# Altium PCB MIXR Input and Processing.PcbDoc (part 3 of 3)
Units mm, origin at the board's own origin, x right, y up, seen from the top; angles counter-clockwise.
Board outline 109.43 x 109.43 mm, 4 copper layers (Top Layer, Int1 (GND), Int2 (PWR), Bottom Layer), stack 1.46 mm thick; 229 components, 167 nets, 975 pads, 374 vias.
Unrouted connection lines stored in the file: 221.
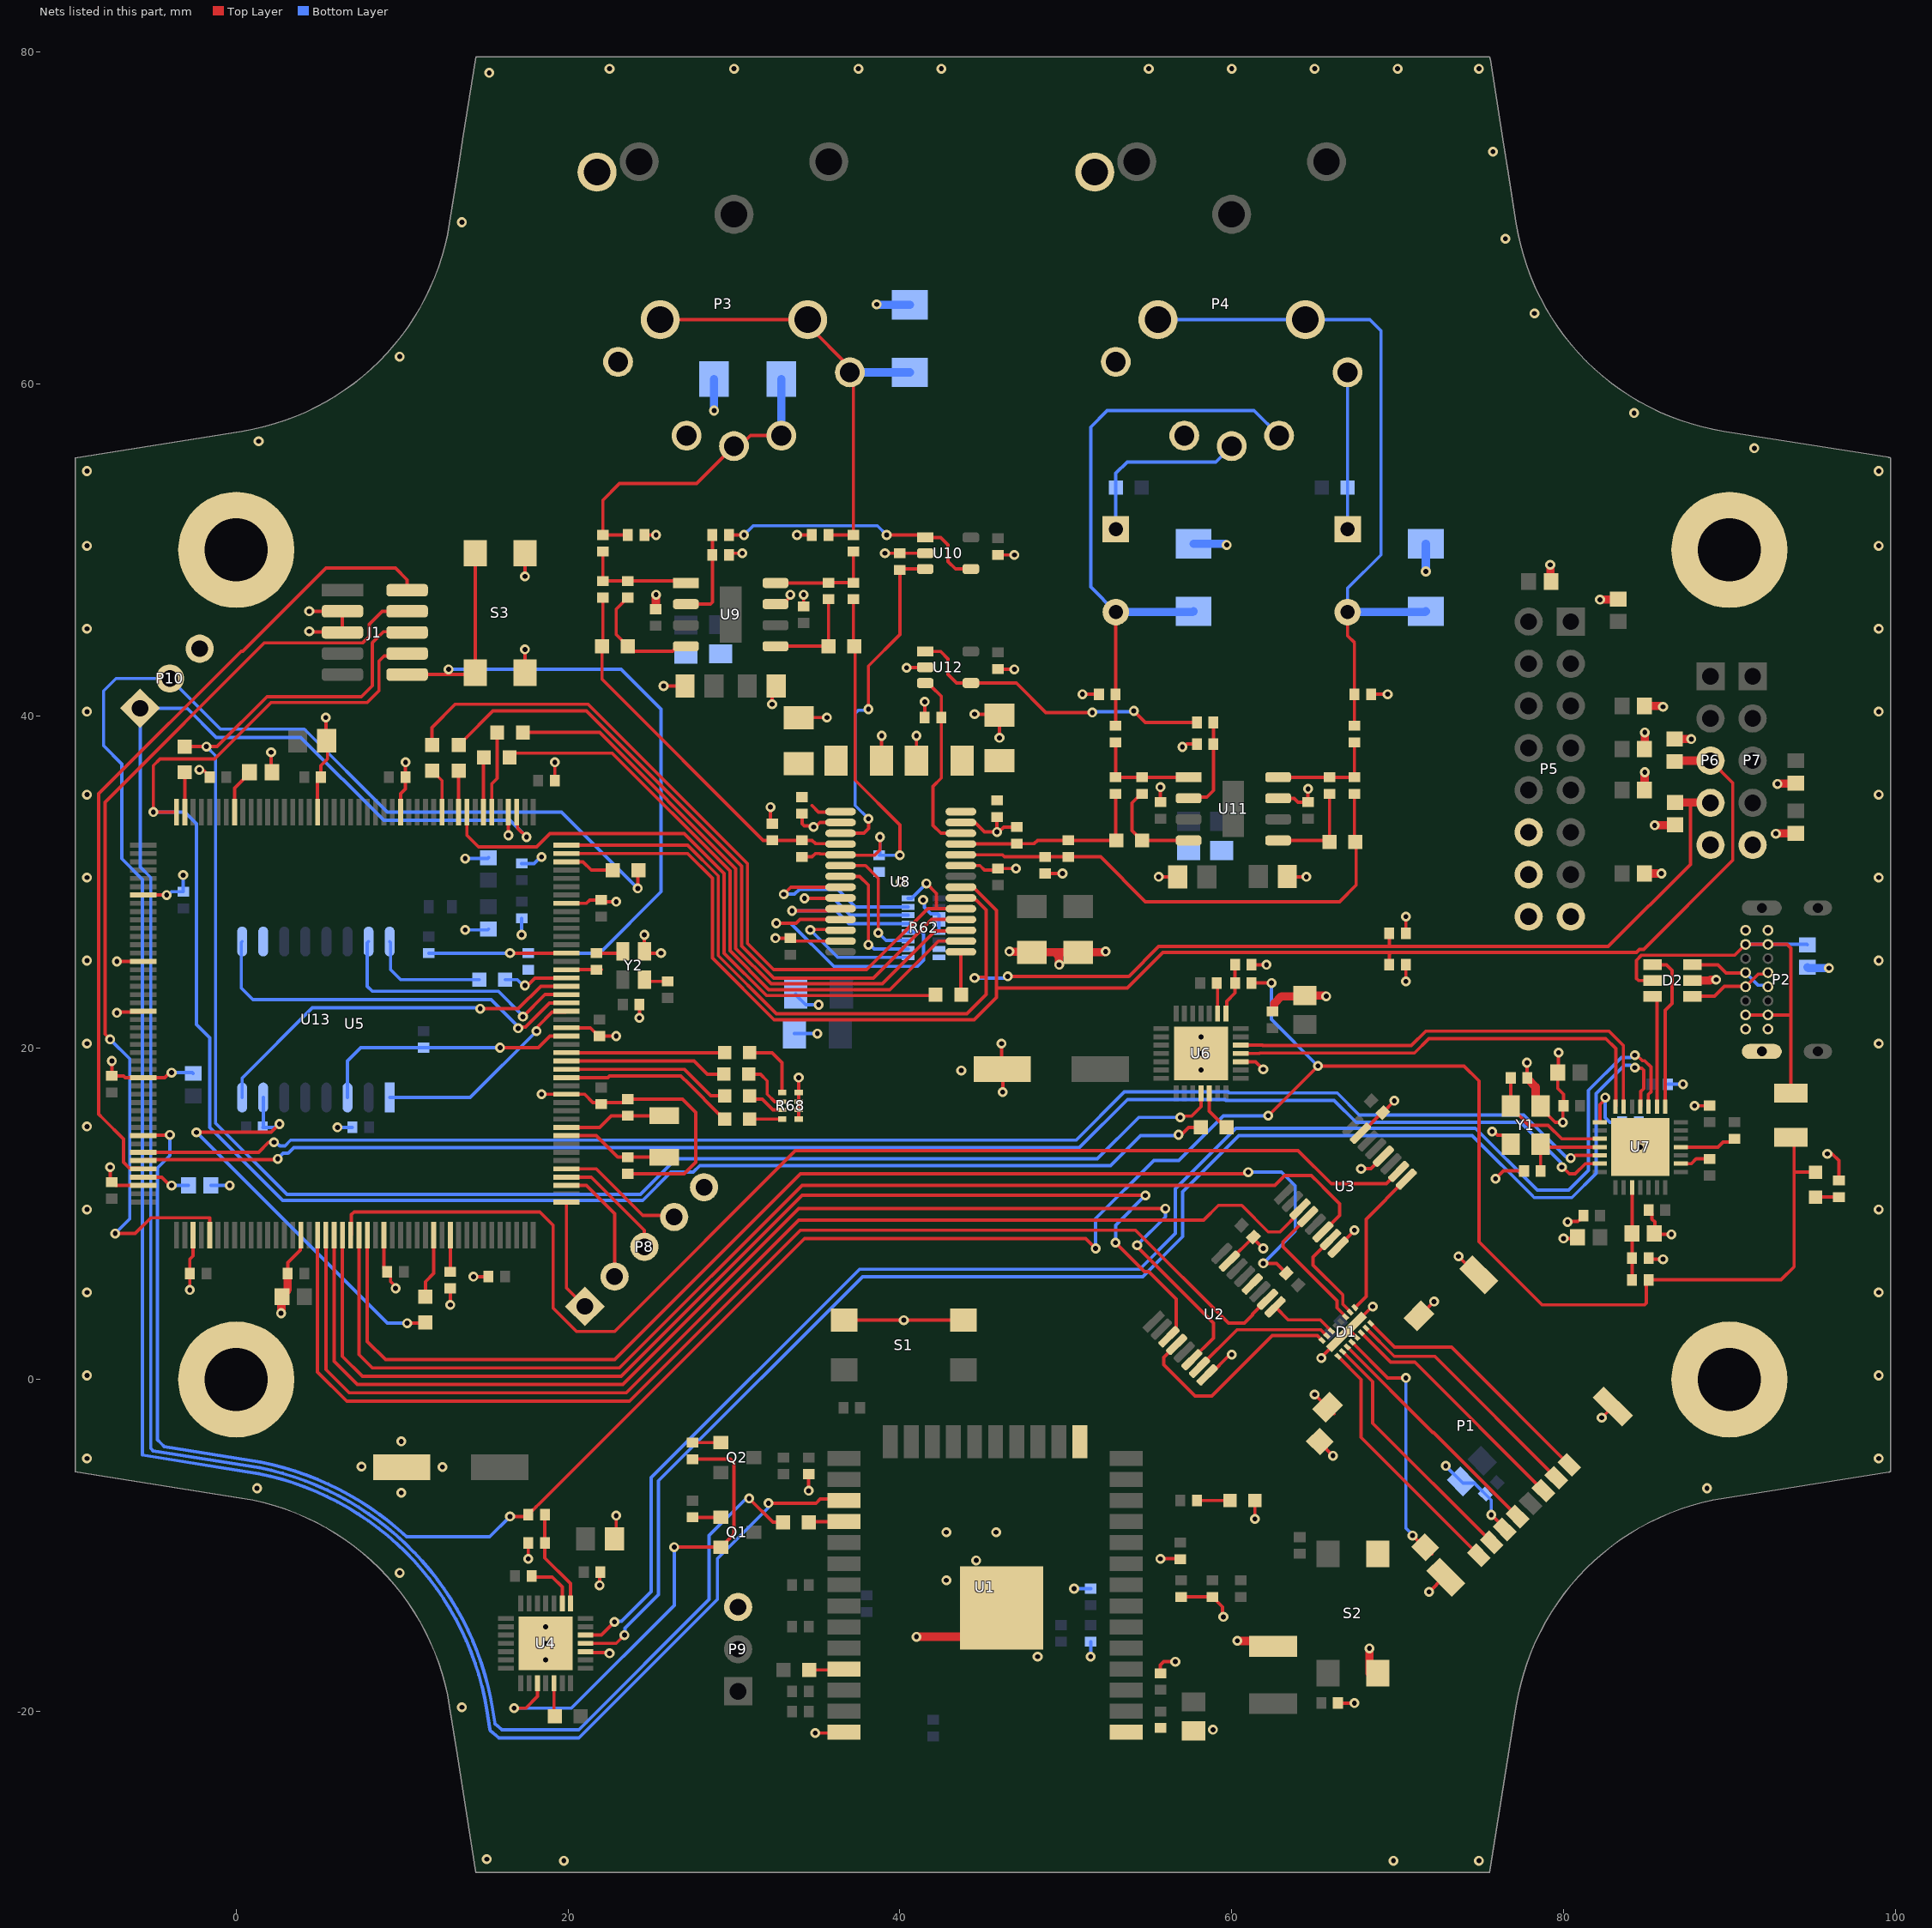
[diagram p5: the nets of this part, all layers, seen from the top]

## Via types
v1: diameter 0.6, hole 0.3, Top Layer to Bottom Layer, tented both sides, 334 vias
v2: diameter 0.6, hole 0.3, Top Layer to Bottom Layer, 40 vias

## Nets (pads, with @x,y where several pads share a name; then routed paths per layer and width w, separated by ;. In a path a pad name is that pad's centre, name@x,y a point inside that pad or via, vN(x,y) a via of type N, cw(c..) or ccw(c..) an arc to the next point about the centre after c; other vN are vias at no path point) (continued)
GND: C1.2 C2.2 C3.2 C4.2 C5.2 C6.2 C7.2 C8.2 C9.2 C10.2 C11.2 C12.2 C13.2 C14.2 C15.2 C16.2 C17.2 C18.2 C19.2 C20.2 C21.2 C22.2 C23.2 C24.2 C25.2 C26.2 C29.2 C30.2 C31.2 C35.2 C36.2 C37.1 C38.2 C39.2 C40.2 C41.2 C42.2 C43.1 C44.1 C45.1 C46.2 C47.2 C48.2 C52.2 C53.2 C54.1 C55.2 C56.2 C57.2 C58.2 C59.2 C60.1 C61.1 C62.1 C63.2 C64.2 C65.2 C66.2 C67.2 C68.2 C69.2 C70.2 C71.2 C72.2 C73.2 C74.2 C75.2 C76.2 C77.2 C78.2 C79.2 C80.2 C81.2 C82.2 C83.2 C84.2 C85.2 C86.2 C87.2 C88.2 C89.2 C90.2 C91.2 C92.2 C93.2 C94.2 C95.2 C96.2 C97.2 C98.2 C99.2 C100.2 C101.2 C102.2 C103.2 C104.2 C105.2 C106.2 C107.2 C108.2 C109.2 D1.5 D1.17 D2.2 D3.2 D4.2 D5.2 D6.2 J1.3 J1.5 LED1.2 P1.6 P1.10 P1.11 P2.A1 P2.A12 P2.B1 P2.B12 P2.P1 P3.1 P3.4 P3.8 P4.1 P4.4 P4.8 P5.8 P5.9 P6.5 P7.5 P8.5 P9.3 P10.3 pad.0 R13.2 R14.2 R17.1 R23.2 R32.2 R35.2 R36.2 R38.2 R39.2 R40.2 R43.2 R44.2 R46.2 R54.2 R62.11 R62.12 R62.13 R62.15 R62.16 R66.2 R68.5 R68.6 R68.7 R68.8 S1.2 S2.2 S3.2 U1.1 U1.15 U1.38 U1.39 U2.8 U2.12 U2.15 U3.8 U3.12 U3.15 U4.3 U4.29 U5.14 U5.22 U5.37 U5.48 U5.61 U5.71 U5.95 U5.103 U5.109 U5.117 U5.130 U5.135 U5.148 U5.158 U6.3 U6.29 U7.29 U8.2 U8.13 U8.23 U8.27 U9.7 U10.2 U11.7 U12.2 U13.10 Y1.2 Y1.4 Y2.2 | length 269.2
  Top Layer w0.2: v1(-7.6,12.8) -7.6,12.033 -7.272,11.704 -7.25,11.704 -7.246,11.7 U5.130@-5.6,11.7 ; v1(-7.5,19.2) C107.2@-7.5,18.3 -6.8,18.3 -6.7,18.2 U5.117@-5.6,18.2 -4.308,18.2 -4.008,18.5 v1(-3.9,18.5) ; v1(-7.2,22.1) -7.15,22.15 -5.65,22.15 U5.109@-5.6,22.2 ; v1(-7.2,25.2) U5.103@-5.6,25.2 ; U5.95@-5.6,29.2 v1(-4.2,29.2) ; v1(-2.8,5.4) C103.2@-2.8,6.4 -2.8,7.25 -2.6,7.45 U5.135@-2.6,8.7 ; v1(-2.223,36.75) -2.146,36.673 -1.923,36.673 -1.6,36.35 C102.2@-1.6,36.3 ; v1(2.1,37.8) 2.1,36.65 C83.2@2.15,36.6 ; C73.2@3.1,6.4 3.1,7.05 3.85,7.8 3.85,8.65 U5.148@3.9,8.7 ; v1(4.4,45.1) 4.435,45.065 6.365,45.065 J1.5@6.4,45.03 J1.3@6.4,46.3 v1(4.4,46.3) ; U5.71@4.9,34.2 4.9,35.566 4.883,35.583 4.9,35.6 4.9,36.1 C75.2@5.1,36.3 5.1,37 5.5,37.4 5.5,38.45 C71.2@5.45,38.5 5.4,38.55 v1(5.4,39.9) ; U5.158@8.9,8.7 8.9,6.7 C100.2@9.1,6.5 9.3,6.3 9.3,5.908 9.6,5.608 v1(9.6,5.5) ; U5.61@9.9,34.2 9.9,35.3 10.2,35.6 C76.2@10.2,36.3 v1(10.2,37.2) ; v1(12.9,4.5) R66.2@12.9,5.5 ; v1(14.3,6.2) C99.2@15.2,6.2 ; v1(16.4,32.8) U5.48@16.4,34.2 ; S3.2@17.4,42.6 v1(17.4,44) ; v1(17.4,48.4) S3.2@17.4,49.8 ; v1(17.6,-10.8) R23.2@17.6,-9.85 ; v1(18.4,17.2) U5.14@19.9,17.2 21,17.2 21.5,16.7 23.4,16.7 C86.2@23.6,16.9 26.9,16.9 27.7,16.1 27.7,13.1 27,12.4 C87.2@23.6,12.4 ; C77.2@19.2,36.1 v1(19.2,37.2) ; U5.22@19.9,21.2 21.35,21.2 21.85,20.7 C72.2@21.9,20.7 v1(22.9,20.7) ; U5.37@19.9,28.7 21.1,28.7 21.3,28.9 C101.2@22,28.9 22.1,28.8 v1(22.9,28.8) ; U4.3@21.05,-16.4 21.1,-16.45 22.45,-16.45 v1(22.5,-16.5) ; v1(21.9,-12.4) 21.9,-11.65 C13.2@21.95,-11.6 ; C12.2@22.8,-9.6 22.9,-9.5 v1(22.9,-8.2) ; v1(24.3,21.8) C108.2@24.3,22.7 ; v1(24.6,26.8) 24.6,25.7 v1(25.6,25.7) ; R40.2@24.6,50.9 v1(25.3,50.9) ; v1(25.757,41.8) C44.1@27.044,41.8 ; C42.2@29.7,49.7 29.8,49.8 v1(30.5,49.8) ; v1(32.2,34.5) 32.2,33.6 C36.2@32.3,33.5 ; v1(32.3,40.7) 32.3,41.55 C43.1@32.55,41.8 ; v1(32.5,26.6) C63.2@33.4,26.6 33.575,26.425 U8.13@36.425,26.425 ; U9.7@32.5,46.735 32.948,46.735 33.323,47.111 33.323,47.223 v1(33.4,47.3) ; v1(33.8,50.9) R39.2@34.7,50.9 ; R68.5@33.9,15.7 v1(33.9,18.2) ; C31.2@33.9,39.875 33.925,39.9 v1(35.6,39.9) ; C29.2@34.1,34.1 34.1,33.5 34.223,33.377 34.723,33.377 v1(34.8,33.3) 34.908,33.3 35.183,33.575 U8.2@36.425,33.575 ; C45.1@34.2,46.6 v1(34.2,47.3) ; v1(34.5,-6.7) C3.2@34.5,-5.7 ; v1(34.9,-21.3) 36.595,-21.3 U1.38@36.635,-21.26 ; S1.2@36.635,3.579 v1(40.235,3.579) S1.2@43.835,3.579 ; C30.2@38.9,37.3 v1(38.9,38.8) ; v1(39.1,49.8) C41.2@40,49.8 U10.2@41.525,49.8 ; v1(40.4,42.9) 40.415,42.915 41.51,42.915 U12.2@41.525,42.93 ; C48.2@41,37.3 v1(41,38.8) ; C58.2@41.5,39.9 v1(41.5,40.848) ; U8.23@43.675,30.975 44.825,30.975 45.1,30.7 45.8,30.7 C66.2@45.9,30.8 v1(47,30.8) ; U8.27@43.675,33.575 43.723,33.527 44.573,33.527 45.1,33 v1(45.85,33) ; v1(44.5,40.1) 45.95,40.1 C47.2@46,40.05 v1(46,38.675) ; C46.2@45.85,33.9 v1(45.85,33) ; C54.1@45.9,42.83 45.93,42.8 v1(46.9,42.8) ; C37.1@45.9,49.7 v1(46.9,49.7) ; v1(46.125,20.25) 46.125,18.75 C70.2@46.175,18.7 46.2,18.675 v1(46.2,17.325) ; C53.2@47.05,33.3 46.258,33.3 45.958,33 v1(45.85,33) ; C52.2@48.75,30.5 v1(49.8,30.5) ; v1(51,41.3) R44.2@52,41.3 ; v1(55.6,30.3) C61.1@56.75,30.3 ; C4.2@55.7,-17.7 55.7,-17.2 55.9,-17 v1(56.6,-17) ; v1(55.7,-10.8) 56.87,-10.8 R17.1@56.9,-10.83 ; C55.2@55.7,34.8 v1(55.7,35.7) ; C7.2@56.95,-13.1 R14.2@58.85,-13.1 58.9,-13.1 59.1,-13.3 59.1,-13.35 59.45,-13.7 59.45,-14.25 v1(59.5,-14.3) ; v1(57.027,38.127) 57.135,38.127 57.308,38.3 C59.2@57.9,38.3 ; U2.8@58.518,0.28 58.671,0.28 59.892,1.5 v1(60,1.5) ; U2.15@59.862,7.138 59.862,7.143 C11.2@61.307,8.588 ; U6.3@60.55,19.155 61.445,19.155 v1(61.9,18.7) ; R32.2@61.2,25 v1(62.1,25) ; C11.2@61.307,8.593 C11.2@61.307,8.588 ; v1(61.4,-8.4) LED1.2@61.4,-7.29 ; v1(61.9,7.9) 61.307,8.493 C11.2@61.307,8.588 ; U11.7@62.8,35.03 63.77,35.03 64,34.8 C62.1@64.6,34.8 v1(64.6,35.6) ; C60.1@63.35,30.325 63.375,30.3 v1(64.5,30.3) ; v1(65,-0.9) 66.168,-2.068 P1.11@66.181,-2.068 ; v1(65.4,1.3) 65.4,1.327 66.916,2.843 D1.17@66.916,2.87 66.943,2.87 D1.17@66.978,2.906 ; P1.10@65.704,-4.136 65.704,-4.196 v1(66.1,-4.592) ; C5.2@66.403,-19.5 v1(67.4,-19.5) ; U3.8@66.419,7.981 66.419,8 67.4,8.981 v1(67.4,9) ; D1.5@67.534,2.534 67.163,2.906 D1.17@66.978,2.906 ; U3.15@67.763,14.84 67.808,14.84 69.062,16.093 C10.2@69.107,16.093 69.107,16.1 69.8,16.793 v1(69.8,16.8) ; v1(67.8,12.7) 67.818,12.718 68.399,12.718 U3.12@69.142,13.461 ; R43.2@68.4,41.3 v1(69.4,41.3) ; v1(68.5,4.4) 68.473,4.4 D1.17@66.978,2.906 ; v1(70.5,24) R46.2@70.5,25 ; R54.2@70.5,26.9 v1(70.5,27.9) ; P1.11@71.283,3.834 71.334,3.834 v1(72.2,4.7) 72.191,4.7 v1@72.184,4.693 ; v1(71.9,-12.8) 72.793,-11.907 P1.11@72.902,-11.907 ; v1(73.673,7.427) 75.184,5.916 P1.11@75.289,5.916 ; v1(75.646,-8.154) 75.654,-8.154 P1.6@76.855,-9.355 ; v1(75.7,14.95) 75.808,14.95 76.028,14.73 76.37,14.73 76.82,14.28 Y1.2@76.82,14.18 ; v1(75.9,12.1) 76.38,12.58 C25.2@77.62,12.58 ; v1(77.8,19.1) 77.8,18.2 C24.2@77.82,18.18 ; Y1.4@78.62,16.48 78.62,16.38 79.5,15.5 v1(79.964,15.5) 79.964,16.43 79.947,16.447 C16.2@80,16.5 80,17.2 79.65,17.55 C21.2@79.65,18.5 79.7,18.55 v1(79.7,19.7) ; v1(80,8.5) 80.776,8.5 C22.2@80.85,8.574 ; v1(80.25,9.5) 80.274,9.524 80.85,9.524 80.95,9.624 81,9.624 81.2,9.824 C17.2@81.2,9.874 ; v1(82.304,-2.3) 82.316,-2.3 82.971,-1.644 P1.11@82.971,-1.625 ; v1(84.627,13.998) 84.63,14.001 U7.29@84.63,14.01 ; R35.2@85.13,7.31 85.19,7.25 v1(86,7.25) ; C19.2@85.13,10.21 85.33,10.01 85.33,9.67 85.5,9.5 85.5,8.83 C23.2@85.48,8.81 85.54,8.75 v1(86.5,8.75) ; v1(87.9,16.5) 88.79,16.5 C20.2@88.8,16.51 ; v1(95.9,13.6) 96.2,13.6 96.6,13.2 R38.2@96.6,12
  Top Layer w0.5: v1(2.7,4) 2.719,4.019 2.719,4.969 C105.2@2.75,5 2.75,5.05 3.1,5.4 C73.2@3.1,6.4 ; C38.2@25.282,46.425 25.291,46.434 25.291,47.291 v1(25.3,47.3) ; v1(41,-15.5) 44.2,-15.5 44.3,-15.6 46.14,-13.76 U1.39@46.135,-13.76 ; v1(46.6,25.8) 46.619,25.781 47.919,25.781 C67.2@47.95,25.75 49.35,25.75 ; v1(49.6,25) 49.581,25.019 49.581,25.519 49.35,25.75 ; v1(52.4,25.8) 52.373,25.8 52.323,25.75 C68.2@50.75,25.75 49.35,25.75 ; v1(60.341,-15.741) 60.36,-15.76 62.185,-15.76 C1.2@62.5,-16.075 ; C15.2@62.468,22.179 62.518,22.179 62.568,22.229 62.568,22.668 63,23.1 64.35,23.1 C14.2@64.4,23.15 65.623,23.15 65.673,23.1 v1(65.7,23.1) ; S2.2@68.3,-17.7 v1(68.3,-16.2) ; C24.2@77.82,18.18 77.82,18.13 78.32,17.63 78.32,16.78 Y1.4@78.62,16.48 ; v1(79.2,49.1) 79.219,49.081 79.219,48.131 C93.2@79.25,48.1 ; v1(82.2,47) 82.215,47.015 83.285,47.015 C88.2@83.3,47.03 ; C94.2@84.88,30.5 v1(85.9,30.5) ; C92.2@84.88,35.52 84.89,35.53 84.89,36.59 v1(84.9,36.6) ; C90.2@84.88,38 84.9,38.02 v1(84.9,39) ; C89.2@84.88,40.6 85.921,40.6 85.973,40.548 v1(86,40.548) ; v1(85.5,33.4) 85.515,33.415 86.705,33.415 C98.2@86.72,33.43 ; C97.2@86.7,38.6 v1(87.7,38.6) ; D2.2@87.77,24.05 88.823,24.05 88.873,24.1 v1(89.2,24.1) ; v1(92.8,32.9) 92.812,32.912 93.988,32.912 C96.2@94,32.925 ; v1(92.9,35.9) 92.919,35.919 93.969,35.919 C95.2@94,35.95
  Bottom Layer w0.2: v1(-4.2,29.2) -4.092,29.2 -3.892,29.4 C74.2@-3.2,29.4 v1(-3.2,30.4) ; v1(-3.9,18.5) -2.65,18.5 C106.2@-2.6,18.45 ; C84.2@-1.525,11.7 v1(-0.4,11.7) ; v1(6.1,15.2) C91.2@7,15.2 ; v1(13.8,27.1) 15.15,27.1 C81.2@15.2,27.15 ; v1(13.8,31.4) 15.15,31.4 C79.2@15.2,31.45 ; v1(17.2,26.8) C82.2@17.2,27.8 ; C80.2@17.2,31.1 17.951,31.1 18.351,31.5 v1(18.4,31.5) ; C64.2@33.65,20.85 v1(35.025,20.85) ; C65.2@33.725,23.25 33.725,23.19 34.325,22.59 v1(35.1,22.59) ; v1(41.4,28.9) 41.477,28.823 41.477,28.454 41.869,28.062 42.276,28.062 R62.11@42.354,27.984 R62.12@42.354,27.476 R62.13@42.354,26.968 ; v1(50.5,-12.6) C6.2@51.5,-12.6 ; v1(51.5,-16.7) R13.2@51.5,-15.8 ; v1(72.9,-5.2) 73.937,-6.237 74.623,-6.237 75.646,-7.261 v1(75.646,-8.154) ; R36.2@84.53,15.51 84.53,14.77 84.627,14.673 v1(84.627,13.998) ; C18.2@86.3,17.8 v1(87.2,17.8)
  Bottom Layer w0.5: D4.2@28.793,60.3 28.8,60.293 v1(28.8,58.4) ; v1(38.6,64.8) 38.627,64.8 38.663,64.764 D3.2@40.6,64.764 ; D6.2@57.7,50.364 59.609,50.364 59.673,50.3 v1(59.7,50.3) ; v1(71.7,48.7) D5.2@71.7,50.364 ; C26.2@94.7,24.85 94.75,24.8 v1(96,24.8)
  other v1: 58.873,-21.105 18.65,-16.9 48.3,-16.7 18.65,-15.9 18.65,-14.9 42.8,-12.1 44.6,-10.9 42.8,-9.2 45.8,-9.2 9.95,-6.825 12.425,-5.275 7.55,-5.25 9.95,-3.725 -9,0.25 -9,5.25 -9,10.25 -9,15.25 43.7,18.625 58.15,18.655 58.15,19.655 -9,20.25 58.15,20.655 -9,25.25 40.05,30 -9,30.25 -9,35.25 -9,40.25 -9,45.25 -9,50.25 -9,54.75
  other v2: 19.75,-29 69.75,-29 74.9,-29 15.1,-28.9 13.6,-19.75 9.85,-11.65 1.25,-6.55 88.65,-6.55 -9,-4.75 99,-4.75 99,0.25 99,5.25 99,10.25 99,20.25 99,25.25 99,30.25 99,35.25 99,40.25 99,45.25 99,50.25 99,54.75 91.5,56.125 1.35,56.55 84.25,58.25 9.85,61.65 78.25,64.25 76.5,68.75 13.6,69.75 75.75,74 15.25,78.75 22.5,79 30,79 37.5,79 42.5,79 55,79 60,79 65,79 70,79 74.9,79
INST_0_CLIPPING: C97.1 P6.3 R46.1 U5.43 U8.21 | length 98.5
  Top Layer w0.2: U5.43@19.9,31.7 27.21,31.7 28.7,30.21 28.7,25.4 32.414,21.686 44.486,21.686 45.829,23.029 45.829,23.6 ; U8.21@43.675,29.675 44.425,29.675 45.829,28.271 45.829,23.6 ; R46.1@69.5,25 69.5,25.648 69.6,25.748 ; P6.3@88.86,37.3 90.2,35.96 90.2,31.3 84.83,25.93 84.569,25.93 84.387,25.748 69.6,25.748 ; 45.829,23.6 53.7,23.6 55.848,25.748 69.5,25.748 69.6,25.748
  Top Layer w0.5: C97.1@86.7,37.3 P6.3@88.86,37.3
INST_1/MIC_CLIPPING: C98.1 P6.4 R54.1 U5.44 U8.20 | length 93.1
  Top Layer w0.2: U5.44@19.9,32.2 27.208,32.2 29.052,30.356 29.052,25.546 32.56,22.038 44.038,22.038 45.2,23.2 45.2,24.257 ; U8.20@43.675,29.025 44.443,29.025 44.564,28.904 44.596,28.904 45.2,28.3 45.2,24.257 ; v1(44.5,24.2) 44.557,24.257 45.2,24.257 ; v1(46.5,24.3) 53.8,24.3 55.6,26.1 69.5,26.1 ; R54.1@69.5,26.9 69.5,26.1 ; 87.648,34.78 87.648,31.048 82.7,26.1 69.5,26.1
  Top Layer w0.5: C98.1@86.72,34.78 87.648,34.78 88.84,34.78 P6.4@88.86,34.76
  Bottom Layer w0.2: v1(44.5,24.2) 46.4,24.2 v1(46.5,24.3)
NetC23_1: C23.1 R33.2 R35.1 U7.17 | length 5.6
  Top Layer w0.2: R33.2@84.13,6.01 R35.1@84.13,7.31 C23.1@84.13,8.81 U7.17@84.13,11.575
NetC24_1: C24.1 U7.10 Y1.1 | length 7.9
  Top Layer w0.2: C24.1@76.82,18.18 Y1.1@76.82,16.48 76.82,16.38 77.27,15.93 77.308,15.93 77.908,15.33 79.07,15.33 79.89,14.51 U7.10@82.195,14.51
NetC25_1: C25.1 U7.11 Y1.3 | length 5.2
  Top Layer w0.2: C25.1@78.62,12.58 Y1.3@78.62,14.18 78.79,14.01 U7.11@82.195,14.01
NetC27_1: C27.1 P4.2 R41.2 | length 9.5
  Bottom Layer w0.2: C27.1@66.985,51.25 R41.2@66.985,53.75 P4.2@66.985,60.7
NetC28_1: C28.1 P4.3 R42.2 | length 11
  Bottom Layer w0.2: C28.1@53.015,51.25 R42.2@53.015,53.75 53.015,54.615 53.7,55.3 59.045,55.3 P4.3@60,56.255
NetC32_1: C32.1 R45.1 R47.2 U9.8 | length 6.5
  Top Layer w0.2: U9.8@32.5,48.005 35.58,48.005 C32.1@35.7,48.125 ; C32.1@35.7,48.025 R45.1@37.2,48.025 ; R45.1@37.2,48.125 R47.2@37.2,49.9
NetC32_2: C32.2 R48.1 U9.5 | length 6
  Top Layer w0.2: U9.5@32.5,44.195 R48.1@35.7,44.195 C32.2@35.7,47.025
NetC34_1: C34.1 R49.2 R51.1 U9.1 | length 6.8
  Top Layer w0.2: R49.2@22.1,49.9 R51.1@22.1,48.125 C34.1@23.6,48.125 26.98,48.125 U9.1@27.1,48.005
NetC34_2: C34.2 R50.1 U9.4 | length 7.3
  Top Layer w0.2: C34.2@23.6,47.125 22.9,46.425 22.9,44.895 R50.1@23.6,44.195 23.895,43.9 26.308,43.9 26.603,44.195 U9.4@27.1,44.195
NetC42_1: C42.1 R52.1 U9.2 | length 5.8
  Top Layer w0.2: U9.2@27.1,46.735 28.583,46.735 28.7,46.852 R52.1@28.7,51
NetC49_1: C49.1 R53.1 R55.2 U11.8 | length 6.7
  Top Layer w0.2: U11.8@62.8,36.3 C49.1@65.9,36.3 R53.1@67.4,36.3 R55.2@67.4,38.4
NetC49_2: C49.2 R56.1 U11.5 | length 6
  Top Layer w0.2: U11.5@62.8,32.49 65.81,32.49 R56.1@65.9,32.4 C49.2@65.9,35.3
NetC51_1: C51.1 R57.2 R59.1 U11.1 | length 6.5
  Top Layer w0.2: R57.2@53,38.4 R59.1@53,36.3 C51.1@54.6,36.3 U11.1@57.4,36.3
NetC51_2: C51.2 R58.1 U11.4 | length 6.1
  Top Layer w0.2: C51.2@54.6,35.3 54.55,35.3 54,34.75 54,33.09 R58.1@54.6,32.49 U11.4@57.4,32.49
NetC59_1: C59.1 R60.1 U11.2 | length 5.8
  Top Layer w0.2: U11.2@57.4,35.03 57.47,35.1 58.5,35.1 58.9,35.5 C59.1@58.9,38.3 R60.1@58.9,39.6
NetLED1_1: LED1.1 R6.2 | length 2
  Top Layer w0.2: R6.2@57.9,-7.29 LED1.1@59.9,-7.29
NetLED2_2: LED2.2 R38.1 | length 1.4
  Top Layer w0.2: LED2.2@95.2,11 R38.1@96.6,11
NetLED4_2: LED4.2 R68.4 | length 2
  Top Layer w0.2: LED4.2@30.939,15.7 R68.4@32.9,15.7
NetLED5_2: LED5.2 R68.3 | length 2.3
  Top Layer w0.2: LED5.2@30.939,17.1 31.139,16.9 31.7,16.9 32.35,16.25 R68.3@32.9,16.25
NetLED6_2: LED6.2 R68.2 | length 3.2
  Top Layer w0.2: LED6.2@30.889,18.41 30.899,18.4 31.6,18.4 32,18 32,17.2 32.45,16.75 R68.2@32.9,16.75
NetLED7_2: LED7.2 R68.1 | length 4
  Top Layer w0.2: LED7.2@30.939,19.7 32.3,19.7 32.9,19.1 R68.1@32.9,17.3
NetQ1_1: Q1.1 R19.2 | length 1.7
  Top Layer w0.2: R19.2@27.5,-8.3 Q1.1@29.2,-8.3
NetQ2_1: Q2.1 R21.2 | length 1.7
  Top Layer w0.2: R21.2@27.5,-3.8 Q2.1@29.2,-3.8
NetR7_2: R7.2 U1.35 | length 1.9
  Top Layer w0.2: R7.2@34.75,-17.5 36.585,-17.5 U1.35@36.635,-17.45
NetR8_2: R8.2 U1.28 | length 2.2
  Top Layer w0.2: R8.2@34.5,-8.6 34.54,-8.56 U1.28@36.635,-8.56
NetR18_2: R18.2 U4.9 | length 3.1
  Top Layer w0.2: R18.2@17.8,-11.85 17.85,-11.9 19.05,-11.9 19.65,-12.5 U4.9@19.65,-13.5
NetR20_1: R20.1 U4.26 | length 2
  Top Layer w0.2: U4.26@19.15,-18.3 19.15,-20.25 R20.1@19.2,-20.3
NetR22_2: R22.2 R23.1 U4.8 | length 6
  Top Layer w0.2: R22.2@18.6,-8.15 R23.1@18.6,-9.85 18.6,-10.75 20.15,-12.3 U4.8@20.15,-13.5
NetR24_2: R24.2 U5.42 | length 3
  Top Layer w0.2: U5.42@19.9,31.2 20.9,31.2 21.4,30.7 R24.2@22.7,30.7
NetR25_2: R25.2 U5.50 | length 4.9
  Top Layer w0.2: U5.50@15.4,34.2 15.4,35.9 15.725,36.225 R25.2@15.725,39
NetR26_2: R26.2 U5.51 | length 3.3
  Top Layer w0.2: U5.51@14.9,34.2 14.9,37.475 R26.2@14.925,37.5
NetR27_2: R27.2 U5.56 | length 2.7
  Top Layer w0.2: R27.2@11.8,36.7 12.4,36.1 U5.56@12.4,34.2
NetR28_2: R28.2 U5.164 | length 3.9
  Top Layer w0.2: R28.2@11.4,5 11.4,5.9 11.9,6.4 U5.164@11.9,8.7
NetR29_2: R29.2 U6.9 | length 1.9
  Top Layer w0.2: R29.2@59.1,23.9 59.15,23.85 U6.9@59.15,22.055
NetR30_1: R30.1 U6.26 | length 2.5
  Top Layer w0.2: U6.26@58.65,17.255 58.65,16.175 58.925,15.9 59.3,15.525 59.375,15.525 R30.1@59.7,15.2
NetR31_2: R31.2 R32.1 U6.8 | length 3.2
  Top Layer w0.2: U6.8@59.65,22.055 59.7,22.105 59.7,22.8 60.2,23.3 R32.1@60.2,25
NetR34_2: R34.2 U7.23 | length 1.9
  Top Layer w0.2: U7.23@87.065,13.01 87.71,13.01 88,13.3 R34.2@88.8,13.3
NetR36_1: R36.1 U7.8 | length 4
  Top Layer w0.2: U7.8@82.195,15.51 82.195,16.574 82.512,16.892 v1(82.512,17)
  Bottom Layer w0.2: v1(82.512,17) 82.512,15.788 82.8,15.5 83.52,15.5 R36.1@83.53,15.51
NetR37_2: R37.2 U7.25 | length 3.4
  Top Layer w0.2: U7.25@87.065,14.01 89.31,14.01 89.61,14.31 90.1,14.31 R37.2@90.3,14.51
NetR52_2: R52.2 U10.1 U10.4 | length 16.5
  Top Layer w0.2: R52.2@29.7,50.9 v1(30.6,50.9) ; v1(39.2,50.9) 41.375,50.9 U10.1@41.525,50.75 42.45,50.75 42.9,50.3 42.9,49.3 43.35,48.85 U10.4@44.275,48.85
  Bottom Layer w0.2: v1(30.6,50.9) 31.152,51.452 38.648,51.452 v1(39.2,50.9)
NetR60_2: R60.2 U12.1 U12.4 | length 18.8
  Top Layer w0.2: U12.1@41.525,43.88 42.45,43.88 42.9,43.43 42.9,42.5 43.42,41.98 U12.4@44.275,41.98 44.448,41.98 47.02,41.98 48.8,40.2 v1(51.6,40.2) ; v1(54.1,40.3) 54.8,39.6 R60.2@57.9,39.6
  Bottom Layer w0.2: v1(51.6,40.2) 51.65,40.25 54.05,40.25 v1(54.1,40.3)
NetR61_1: R61.1 U8.15 | length 2.6
  Top Layer w0.2: U8.15@43.675,25.775 43.675,23.225 R61.1@43.7,23.2
NetR62_1: R62.1 U8.12 | length 8.4
  Top Layer w0.2: v1(34.6,27.1) 34.623,27.123 36.377,27.123 U8.12@36.425,27.075
  Bottom Layer w0.2: v1(34.6,27.1) 36.256,25.444 R62.1@40.5,25.444
NetR62_2: R62.2 U8.7 | length 8
  Top Layer w0.2: U8.7@36.425,30.325 37.575,30.325 38.1,29.8 v1(38.1,26.2)
  Bottom Layer w0.2: v1(38.1,26.2) 38.208,26.2 38.456,25.952 R62.2@40.5,25.952
NetR62_3: R62.3 U8.6 | length 7.9
  Top Layer w0.2: U8.6@36.425,30.975 37.925,30.975 38.7,30.2 v1(38.7,26.924)
  Bottom Layer w0.2: v1(38.7,26.924) 39.164,26.46 R62.3@40.5,26.46
NetR62_4: R62.4 U8.11 | length 16.6
  Top Layer w0.2: v1(32.552,27.5) 33.75,27.5 33.975,27.725 U8.11@36.425,27.725
  Bottom Layer w0.2: v1(32.552,27.5) 33.419,27.5 36.019,24.9 41.061,24.9 41.427,25.266 41.427,26.851 41.31,26.968 R62.4@40.5,26.968
NetR62_5: R62.5 U8.10 | length 10.3
  Top Layer w0.2: v1(33.5,28.25) 36.3,28.25 U8.10@36.425,28.375
  Bottom Layer w0.2: v1(33.5,28.25) 36.15,28.25 36.924,27.476 R62.5@40.5,27.476
NetR62_6: R62.6 U8.9 | length 8.9
  Top Layer w0.2: v1(34.25,29) 36.4,29 U8.9@36.425,29.025
  Bottom Layer w0.2: v1(34.25,29) 36,29 37,28 40.484,28 R62.6@40.5,27.984
NetR62_7: R62.7 U8.8 | length 11.7
  Top Layer w0.2: v1(33,29.25) 33.425,29.675 U8.8@36.425,29.675
  Bottom Layer w0.2: v1(33,29.25) 33.642,29.25 33.945,29.552 36.248,29.552 37.308,28.492 R62.7@40.5,28.492
NetR67_2: R67.2 U5.87 | length 2.4
  Top Layer w0.2: U5.87@-3.1,34.2 R67.2@-3.1,36.6
NetR69_2: R69.2 U5.54 | length 2.5
  Top Layer w0.2: U5.54@13.4,34.2 R69.2@13.4,36.7
NetR70_1: R70.1 Y2.3 | length 1.3
  Top Layer w0.2: R70.1@22,25.7 Y2.3@23.3,25.7
NetR71_2: R71.2 Y2.1 | length 1.4
  Top Layer w0.2: Y2.1@24.6,24 R71.2@26,24
NetR72_1: R72.1 U5.28 | length 4
  Top Layer w0.2: v1(17.4,23.752) 17.552,23.752 18,24.2 U5.28@19.9,24.2
  Bottom Layer w0.2: R72.1@16.2,24.1 16.944,24.1 17.292,23.752 v1(17.4,23.752)
nSD_CARD_DETECTED: D1.4 P1.9 | length 15.4
  Top Layer w0.2: D1.4@67.251,2.251 69.403,0.1 v1(70.5,0.1) ; v1(70.9,-9.4) 72,-10.5 P1.9@72.068,-10.5
  Bottom Layer w0.2: v1(70.5,0.1) 70.5,-8.951 70.9,-9.351 v1(70.9,-9.4)
PWR_BOARD_SPARE_2: P5.11
PWR_BOARD_SPARE_3: P5.10
RTS: Q1.2 R21.1 U4.24 | length 29
  Top Layer w0.2: v1(16.75,-19.8) 17.45,-19.8 18.15,-19.1 U4.24@18.15,-18.3 ; v1(26.4,-10.1) Q1.2@29.2,-10.1 29.25,-10.1 29.55,-9.8 29.55,-9.75 29.998,-9.302 29.998,-4.998 29.8,-4.8 R21.1@27.5,-4.8
  Bottom Layer w0.2: v1(16.75,-19.8) 20.2,-19.8 26.4,-13.6 v1(26.4,-10.1)
SD_CLK_FILTERED: D1.14 U2.9 | length 4
  Top Layer w0.2: U2.9@62.619,4.381 63.4,3.6 65.337,3.6 D1.14@66.014,2.923
SD_CMD_FILTERED: D1.11 U3.4 | length 8.2
  Top Layer w0.2: U3.4@64.581,9.819 64.581,9.781 63.1,8.3 63.1,8 66.348,4.752 66.348,4.319 66.863,3.804 D1.11@66.863,3.772
SD_DATA0: D1.2 P1.7 | length 15.2
  Top Layer w0.2: D1.2@66.686,1.686 68.5,-0.128 68.5,-2.633 P1.7@75.677,-9.81
SD_DATA0_FILTERED: D1.15 U2.7 | length 8.8
  Top Layer w0.2: U2.7@58.058,0.739 60.319,3 65.372,3 D1.15@65.731,2.64
SD_DATA1: D1.1 P1.8 | length 15.9
  Top Layer w0.2: D1.1@66.403,1.403 67.8,0.006 67.8,-3.488 P1.8@75.156,-10.844
SD_DATA1_FILTERED: D1.16 U2.4 | length 13.5